# Altium PCB CMTestBoardV2.PcbDoc (part 1 of 2) (continued)
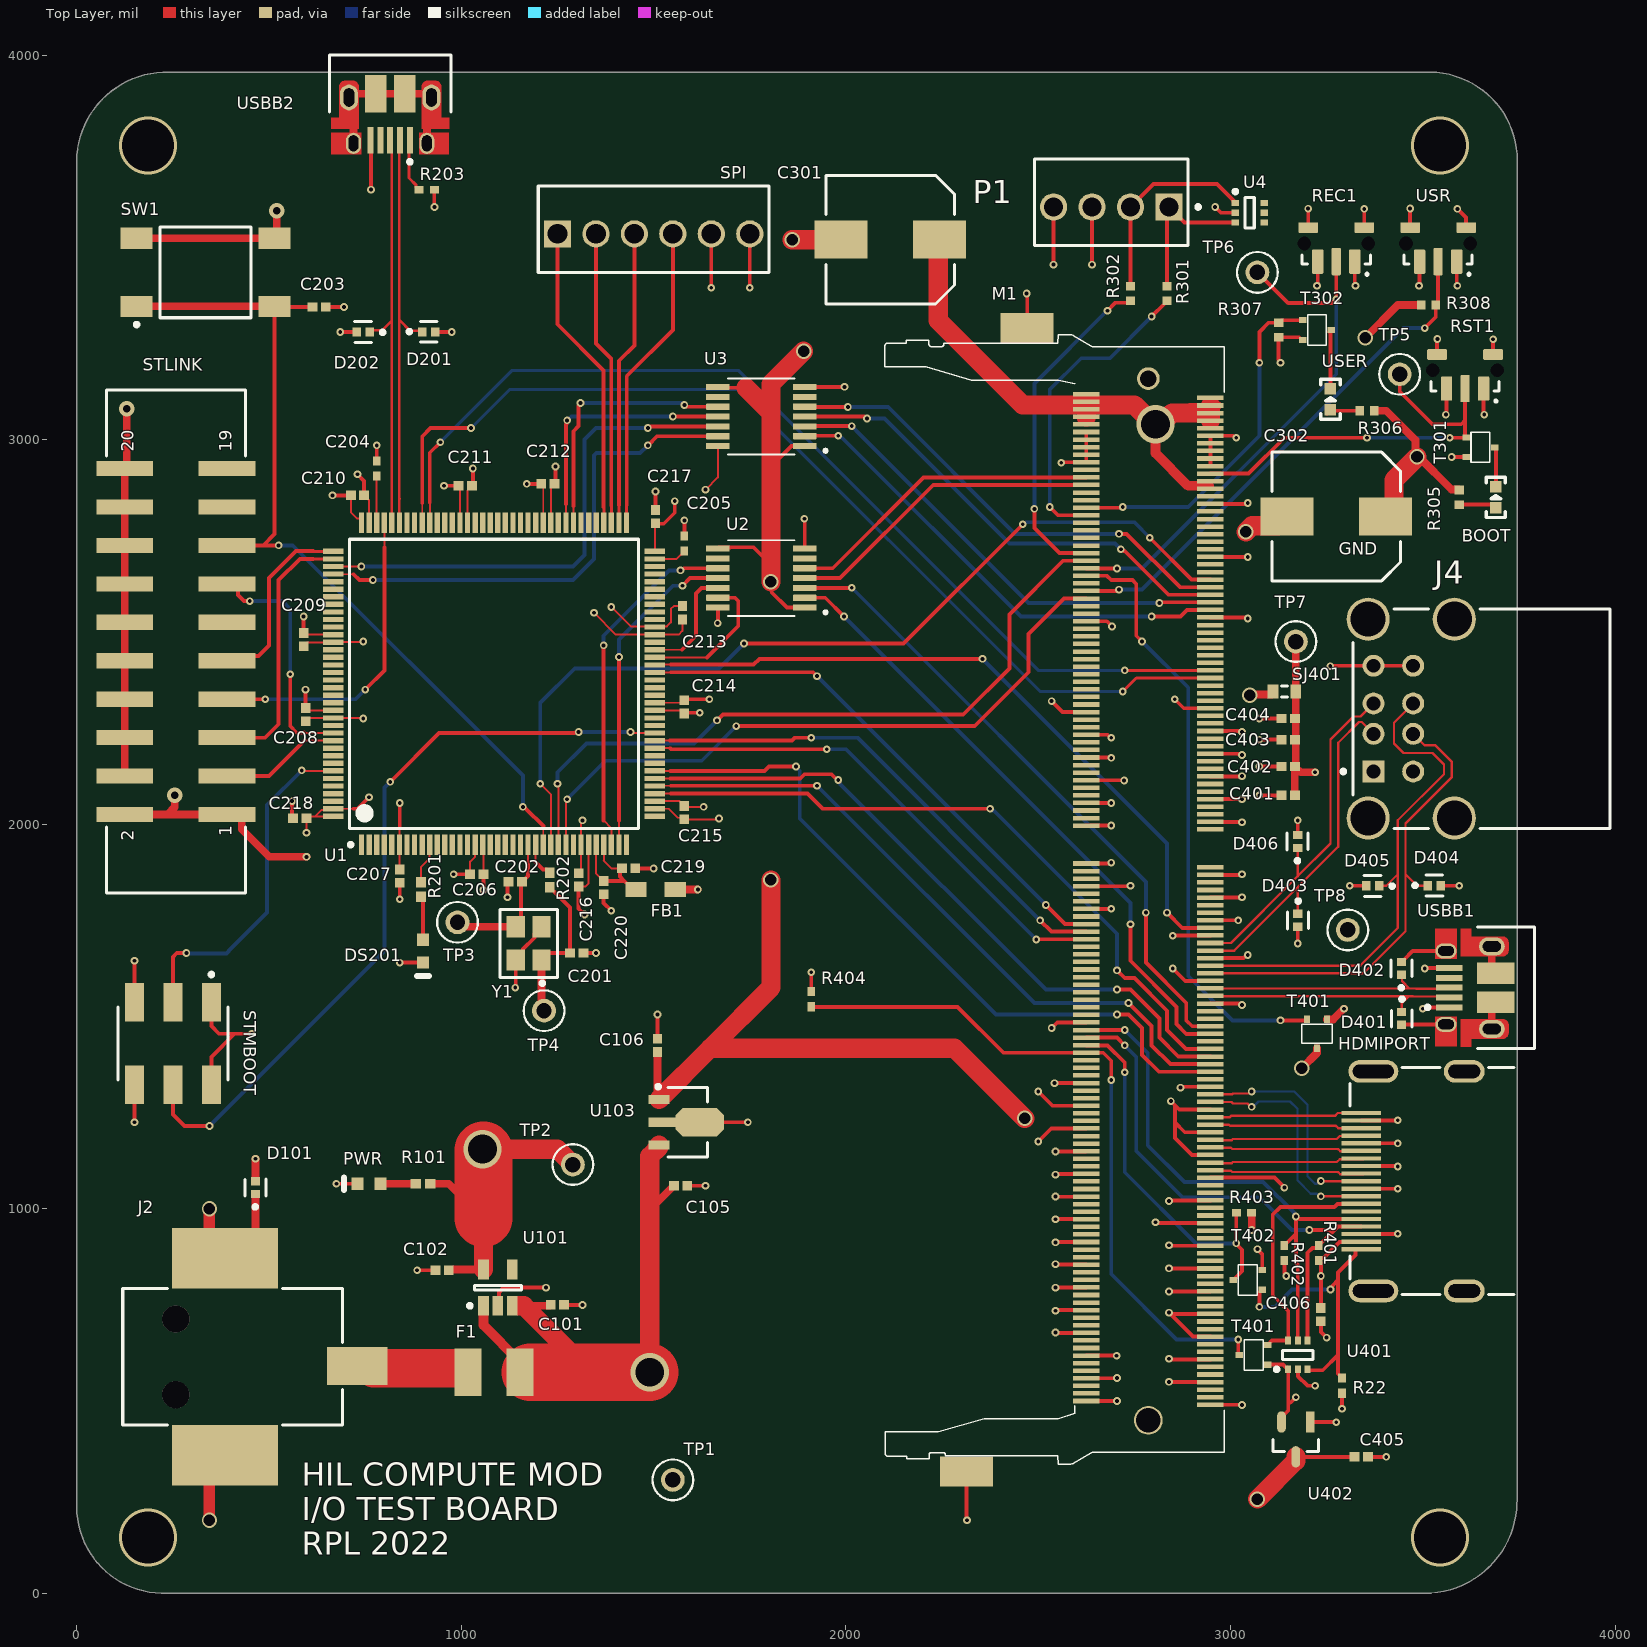
[diagram p0: Top Layer view]
## Footprints (in the part's own frame and the unit in brackets; to place one, negate y for a bottom-side part, rotate by r counter-clockwise, add the part's x,y. Pads: shape width x height; smd on the part's side, far side on the other; paste and mask are expansions set on the pad) (continued)
  silkscreen extent -10.75,-9.55 9.55,9.6, body extent -10,-10 10,10, height 1.6
TECO-4-1437565-1_V [mil] "SMD, 4-Leads, Body 6x6mm, Pitch 9.1mm"
  rect 55x83 smd: 1(-88.5,179.5) 2(-88.5,-179.5) 3(88.5,179.5) 4(88.5,-179.5)
  silkscreen extent -141,-118 118,184, body extent -118,-197 118,197, height 200
TECO-640456-4 [mm] "Through Hole, 4-Leads, Body 10.16x5.72mm, Pitch 2.54mm"
  rect 1.8x1.8 hole 1.27 paste+0: 1(3.81,0)
  round 1.8 hole 1.27 paste+0: 2(1.27,0) 3(-1.27,0) 4(-3.81,0)
  silkscreen extent -5.08,-2.54 5.86,3.18, body extent -5.08,-2.54 5.08,3.18, height 10.03
TECO-640456-6_V [mm] "THD, 6-Leads, Body 15.24x5.72mm, Pitch 2.54mm"
  rect 1.8x1.8 hole 1.3: 1(0,0)
  round 1.8 hole 1.3: 2(2.54,0) 3(5.08,0) 4(7.62,0) 5(10.16,0) 6(12.7,0)
  silkscreen extent -1.27,-2.54 13.97,3.17, body extent -1.27,-2.54 13.97,3.17, height 10.03
TL3340AF160QG [mm] "SWITCH TACT SUB MINI 160GF SMD"
  rrect20% 0.75x1.6 smd: 1(1.225,-1.2) 3(-1.225,-1.2)
  rrect20% 0.6x1.8 smd: 2(0,-1.2)
  round 0.5 hole 0.9: 10(2.125,0) 11(-2.125,0)
  rrect20% 1.3x0.7 smd: SH1(-1.85,1.05) SH2(1.85,1.05)
  Top Layer pour cut-out: -1,0.103 -1,1.5 1,1.5 1,0.103
  silkscreen extent -2.25,-2.07 2.25,-0.75, body extent -2.25,-1.35 2.25,2.05, height 3.3
TORX-SOT-25-5_M [mm] "SOT23, 5-Leads, Body 3.1x1.8mm, Pitch 0.95mm, IPC Low Density"
  rect 1.3x0.7 smd: 1(-1.2,0.95) 2(-1.2,0) 3(-1.2,-0.95) 4(1.2,-0.95) 5(1.2,0.95)
  silkscreen extent -1.32,-1.55 0.15,1.97, body extent -0.9,-1.55 0.9,1.55, height 1.3

## Part data
BOOT USER: library part LED, "LED Green 0603 case", Manufacturer=KINGBRIGHT, PartNumber=LED_G, MPN=APT1608SGC
C101 C102: library part C0402C560K5RACTU, "10uF 0402", Manufacturer_Name=Kemet, Mouser Part Number=80-C0402C560K5RACTU, Arrow Part Number=C0402C560K5RACTU, Datasheet Link=https://content.kemet.com/datasheets/KEM_C1002_X7R_SMD.pdf, Height=0.55mm, Manufacturer_Part_Number=C0402C560K5RACTU, Mouser Price/Stock=https://www.mouser.co.uk/ProductDetail/KEMET/C0402C560K5RACTU?qs=gt1LBUVyoHmQZW5v3ySgNQ%3D%3D
C105 C106: library part C0402C560K5RACTU, "1uF 0402", Manufacturer_Name=Kemet, Mouser Part Number=80-C0402C560K5RACTU, Arrow Part Number=C0402C560K5RACTU, Datasheet Link=https://content.kemet.com/datasheets/KEM_C1002_X7R_SMD.pdf, Height=0.55mm, Manufacturer_Part_Number=C0402C560K5RACTU, Mouser Price/Stock=https://www.mouser.co.uk/ProductDetail/KEMET/C0402C560K5RACTU?qs=gt1LBUVyoHmQZW5v3ySgNQ%3D%3D
C201 C202: library part C0402C560K5RACTU, "10pF 0402", Manufacturer_Name=Kemet, Mouser Part Number=80-C0402C560K5RACTU, Arrow Part Number=C0402C560K5RACTU, Datasheet Link=https://content.kemet.com/datasheets/KEM_C1002_X7R_SMD.pdf, Height=0.55mm, Manufacturer_Part_Number=C0402C560K5RACTU, Mouser Price/Stock=https://www.mouser.co.uk/ProductDetail/KEMET/C0402C560K5RACTU?qs=gt1LBUVyoHmQZW5v3ySgNQ%3D%3D
C203 C206 C207 C208 C209 C210 C211 C212 C213 C214 C215 C216 C217 C218 C219 C220 C405 C406: library part C0402C560K5RACTU, "100nF 0402", Manufacturer_Name=Kemet, Mouser Part Number=80-C0402C560K5RACTU, Arrow Part Number=C0402C560K5RACTU, Datasheet Link=https://content.kemet.com/datasheets/KEM_C1002_X7R_SMD.pdf, Height=0.55mm, Manufacturer_Part_Number=C0402C560K5RACTU, Mouser Price/Stock=https://www.mouser.co.uk/ProductDetail/KEMET/C0402C560K5RACTU?qs=gt1LBUVyoHmQZW5v3ySgNQ%3D%3D
C204 C205: library part Cap, "2.2uF 0402", LatestRevisionDate=17-Jul-2002, LatestRevisionNote="Re-released for DXP Platform.", PackageDescription="Radial Cap, Thru-Hole; 2 Leads; 0.3 in Pin Spacing", PackageReference=RAD-0.3, Published=8-Jun-2000, Publisher="Altium Limited"
C301 C302: library part CMP-0687-00072-1, "Aluminum Electrolytic Capacitor, UD Series, Low Impedance, 330 uF, 10 V, + / - 20%, -55 to 105 degC, Chip Type, 8 x 10 mm D x L, Pb-Free, Reel", Manufacturer=Nichicon, PartNumber=UUD1A331MNL1GS, Rated Capacitance="330 uF", Rated Ripple Current (at 100kHz)="450 mA", Rated Voltage="10 V", Tolerance Rated Capacitance="-20 to 20%", ComponentLink1Description="Manufacturer URL", ComponentLink1URL=http://www.nichicon.co.jp/, ComponentLink2Description=Datasheet, ComponentLink2URL=http://products.nichicon.co.jp/en/pdf/XJA043/e-ud.pdf, ComponentLink3Description="Package Specification", ComponentLink3URL=http://products.nichicon.co.jp/en/pdf/XJA043/e-ud.pdf, DatasheetVersion=08/2012, Diameter="8 mm", Endurance Time="5000 h", Impedance="0.17 Ohm", Length="10 mm", Mounting Technology="Surface Mount", PackageDescription="2-Pin Surface Mount Device, Diameter 8 mm, Height 10 mm, Pitch 6.5 mm", PackageReference=CAPAE-D8H10, Packing="Dia382mm Reel", RoHS=TRUE
C401 C402 C403 C404: library part C0402C560K5RACTU, "2.2uF 0402", Manufacturer_Name=Kemet, Mouser Part Number=80-C0402C560K5RACTU, Arrow Part Number=C0402C560K5RACTU, Datasheet Link=https://content.kemet.com/datasheets/KEM_C1002_X7R_SMD.pdf, Height=0.55mm, Manufacturer_Part_Number=C0402C560K5RACTU, Mouser Price/Stock=https://www.mouser.co.uk/ProductDetail/KEMET/C0402C560K5RACTU?qs=gt1LBUVyoHmQZW5v3ySgNQ%3D%3D
D101 D201 D202 D401 D402 D403 D404 D405 D406: library part CMP-08607-000070-1, "TVS DIODE 5V 10V SOD882", Capacitance=0.5pF, Clamping Voltage=10V, Manufacturer=Littelfuse, Max Junction Temp=+150°C, Package=SP3030, Peak Pulse Current=3A, Reverse Standoff Voltage=5V, Temperature="-40°C to +125°C", Temperature Range High=+125°C, Temperature Range Low=-40°C, Automotive=Yes, Automotive Grade="Grade 1", Category=Diode, ComponentLink2Description=Datasheet, ComponentLink2URL=https://www.littelfuse.com/~/media/electronics/datasheets/tvs_diode_arrays/littelfuse_tvs_diode_array_sp3030_datasheet.pdf.pdf, Device Class L1="Circuit Protection", Device Class L2="TVS Diodes", Device Class L3=unset, Digikey Description="TVS DIODE 5V 10V SOD882", Direction=Unidirectional, Height=0.6mm, Lead Free=Yes, Manufacturer Part Number=SP3030-01ETG, Mouser Description="TVS Diodes / ESD Suppressors 5V 1uA 22kV UNIDIRECTIONAL", Number of Channels=1, Octopart=https://octopart.com/sp3030-01etg-littelfuse-29687287, RoHS=TRUE
DS201 PWR: library part CMP-1744-00003-1, "LED Uni-Color Yellow, 65 mW, 20 mA, -40 to 85 degC, 2-Pin SMD, RoHS, Tape and Reel", Case Code (Imperial)=0603, Case Code (Metric)=1608, Max Operating Temperature="155 degC", Min Operating Temperature="-55 degC", Package Quantity=5000, Power Rating="100 mW", Resistance="390 Ohm", Tolerance=1%, Voltage Rating="50 V", Case\Package=0603, ComponentLink1Description="Manufacturer URL", ComponentLink1URL=http://www.avagotech.com/, ComponentLink2Description=Datasheet, ComponentLink2URL=http://docs.avagotech.com/docs/AV02-0551EN, ComponentLink3Description="Package Specification", ComponentLink3URL=http://www.fairchildsemi.com/dwg/MA/MA03D.pdf, DatasheetVersion=Mar-12, Height="0.45 mm", Length="1.6 mm", Mount="Surface Mount", PackageDescription="2-Pin Surface Mount Device, Body 1.6 x 0.8 mm, Height 0.9 mm", PackageReference=HSMX-C190, Packaging="Tape and Reel", Pins=2, REACH SVHC="No SVHC", RoHSCompliant=true, Voltage Rating (DC)="50 V", Width="0.8 mm"
F1: library part CMP-0257-00001-1, "Resettable PTC, 1812, 3 A Ihold, 5 A Itrip, 8V max", PartNumber=1812L150ZR, ComponentLink1Description="Manufacturer URL", ComponentLink1URL=http://www.littelfuse.com/, ComponentLink2Description=Datasheet, ComponentLink2URL=http://www.littelfuse.com/products/resettable-ptcs/surface-mount/1812l/~/media/Electronics_Technical/Datasheets/Resettable_PTCs/Littelfuse_PTC_1812L_Datasheet.pdf, DatasheetVersion=6/2012, Ihold="1.5 A", Imax="100 A", Itrip="3 A", PackageDescription="2-Pin SMT Fuse, 4.55 x 3.24 mm Body", PackageReference=FUSE1812-71, PackageVersion=6/2012, Vmax="8 Vdc"
FB1: library part CMP-0686-00665-2, "Chip Ferrite Bead for General Signal lines, 1000 Ohm, 500 mA, -55 to 125 degC, 2 x 1.25 x 1.05 mm SMD, Tape and Reel", DC Resistance="0.28 Ohm Max.", Manufacturer=Murata, Operating Temperature Range="-55 to 125 degC", Rated Current="500 mA", ComponentLink1Description="Manufacturer URL", ComponentLink1URL=http://www.murata.com/, ComponentLink2Description=Datasheet, ComponentLink2URL=http://www.murata.com/products/catalog/pdf/c31e.pdf, ComponentLink3Description="Package Specification", ComponentLink3URL=http://www.murata.com/products/catalog/pdf/c31e.pdf, DatasheetVersion=08/2013, Impedance (at 100 MHz)="1000 Ohm +/- 25%", Mounting Technology="Surface Mount", PackageDescription="2-Pin Chip, Body 2 x 1.25 mm", PackageReference=BLM21_H1050-2, Packing="Tape and Reel", PartNumber=BLM21AG102SN1D
HDMIPORT: library part CMP-1502-00169-1, "HDMI Type A Receptacle WR-HDMI, Horizontal, SMT", Contact Resistance=30mOhm, Manufacturer="Wurth Elektronik", Operating Temperature=-20to85degC, Rated Current=0.5A, Working Voltage=40VDC, Connector Type=HDMITypeA, Datasheet URL=https://katalog.we-online.de/em/datasheet/685119134923.pdf, Gender=Receptacle, Manufacturer URL=http://www.we-online.de, Mounting Technology=SMT, Orientation=Horizontal, Package Reference=685119134923, Packaging=TapeandReel, Part Number=685119134923, Publisher=WurthElektronik
J2: library part CMP-1502-00176-1, "DC Power Jack Connector with Pegs WR-DC, Male, Right Angled, SMT, 5 A, 24 V", Manufacturer="Wurth Elektronik", Operating Temperature=-40to85degC, Rated Current=5A, Working Voltage=24V, Datasheet URL=http://katalog.we-online.de/em/datasheet/6941xx105102.pdf, Gender=Male, Manufacturer URL=http://www.we-online.de, Mounting Technology=SMT, Opening Diameter=6.4mm, Orientation=RightAngled, Package Reference=694106105102, Packaging=TapeandReel, Part Number=694106105102, Plug Inner Diameter=2.05mm, Plug Outer Diameter=5.5mm, Publisher=WurthElektronik
J4: library part CMP-2000-05704-1, "Double Row Type A USB Socket, USB 2.0, 8 Position, RoHS, Tray", Insulation Resistance=1000MOhms, Manufacturer=Mill-Max, Package Description="8-Pin Through Hole Device, Body 16.967 x 14.503 mm", Brand=Mill-Max, Connector Type=USBTypeAReceptacle, Contact Material=CopperAlloy, Contact Plating=Gold, Datasheet URL=https://www.mill-max.com/products/datasheet/sockets/896-43-008-90-000000, Datasheet Version=09/2016, Factory Pack Quantity=120, Gender=Female, Manufacturer URL=https://www.mill-max.com/, Mounting Angle=Right, Mounting Style=SMD/SMT, Mounting Technology=ThroughHole, Number of Contacts=4, Number of Ports=1, Number of Positions=4, Number of Positions / Contacts=4, Package Reference=896-43-008-90-000000, Packaging=Tube, Product=USBTypeAConnectors, Product Category=USBConnectors, RoHS=Details, Standard=USB, Termination Style=SMD
M1: library part jetson-nano-new-release, Manufacturer="TE Connectivity", MPN=2309413-1, PartNumber=2309413-1
P1: library part CMP-2000-05419-1, "Male Header, Pitch 2.54 mm, 1 x 4 Position, Height 10.03 mm, Tail Length 3.56 mm, RoHS, Bulk", Color=White, Current, Rating="5 /  / A", Flammability Rating=UL94V-0, Manufacturer="TE Connectivity", Temperature, Operating="-55to+105 /  / degC", Voltage, Rating="250 /  / V", Agency Approvals=CSA,UL, Angle=Straight, Brand/Series=MTA-100Series, Color, Housing=White, Connector Type=MTA-100, Contact Centerline Spacing="0.100 /  / in.", Contact Mating Area Plating=Tin, Contact Plating=Tin, Contact Shape=Square, Contact Termination Area Plating=Tin, Datasheet URL=https://datasheet.ciiva.com/16286/eng-ds-82056-mta-0608-16286228.pdf, Datasheet Version=Dec-14, Length, Overall="0.4 /  / \"", Length, Pin="0.14 /  / \"", Length, Terminal Post="0.14 /  / in.", Manufacturer URL=http://www.te.com/, Material, Contact=CopperAlloy, Material, Housing=Polyester, Mount Angle=Vertical, Mounting Hole Size="0.04 /  / \"", Mounting Type=PCMount, Number of Contacts=4, Number of Positions=4, Number of Rows=1, Pin Spacing="0.1 /  / \"", Primary Type=InterconnectSystem, Size, Post="0.025 /  / in.", Special Features=Pinstrip, Standards=RoHSCompliant,ELVCompliant,UL94V-0, Termination=Solder, Type=PCBPlug
R22 R203: library part Res1, "100k 0402", LatestRevisionDate=17-Jul-2002, LatestRevisionNote="Re-released for DXP Platform.", PackageDescription="Axial Device, Thru-Hole; 2 Leads; 0.3 in Pin Spacing", PackageReference=AXIAL-0.3, Published=8-Jun-2000, Publisher="Altium Limited"
R101 R201: library part CMP-2002-07344-1, "75R 0402", Manufacturer="Yageo / Phycomp", Part Number=RC0402FR-07100RL
R202: library part CMP-2002-07344-1, "22R 0402", Manufacturer="Yageo / Phycomp", Part Number=RC0402FR-07100RL
R301 R302: library part Res1, "22R 0402", Case Code (Imperial)=0402, LatestRevisionDate=17-Jul-2002, LatestRevisionNote="Re-released for DXP Platform.", PackageDescription="Axial Device, Thru-Hole; 2 Leads; 0.3 in Pin Spacing", PackageReference=AXIAL-0.3, Published=8-Jun-2000, Publisher="Altium Limited"
R305 R306: library part Res1, "470R 0402", Case Code (Imperial)=0402, LatestRevisionDate=17-Jul-2002, LatestRevisionNote="Re-released for DXP Platform.", PackageDescription="Axial Device, Thru-Hole; 2 Leads; 0.3 in Pin Spacing", PackageReference=AXIAL-0.3, Published=8-Jun-2000, Publisher="Altium Limited"
R307: library part Res1, "100k 0402", Case Code (Imperial)=0402, LatestRevisionDate=17-Jul-2002, LatestRevisionNote="Re-released for DXP Platform.", PackageDescription="Axial Device, Thru-Hole; 2 Leads; 0.3 in Pin Spacing", PackageReference=AXIAL-0.3, Published=8-Jun-2000, Publisher="Altium Limited"
R308: library part Res1, "10k 0402", Case Code (Imperial)=0402, LatestRevisionDate=17-Jul-2002, LatestRevisionNote="Re-released for DXP Platform.", PackageDescription="Axial Device, Thru-Hole; 2 Leads; 0.3 in Pin Spacing", PackageReference=AXIAL-0.3, Published=8-Jun-2000, Publisher="Altium Limited"
R401 R402: library part Res1, "1.8k 0402", LatestRevisionDate=17-Jul-2002, LatestRevisionNote="Re-released for DXP Platform.", PackageDescription="Axial Device, Thru-Hole; 2 Leads; 0.3 in Pin Spacing", PackageReference=AXIAL-0.3, Published=8-Jun-2000, Publisher="Altium Limited"
R403 R404: library part Res1, "1k 0402", LatestRevisionDate=17-Jul-2002, LatestRevisionNote="Re-released for DXP Platform.", PackageDescription="Axial Device, Thru-Hole; 2 Leads; 0.3 in Pin Spacing", PackageReference=AXIAL-0.3, Published=8-Jun-2000, Publisher="Altium Limited"
REC1 RST1 USR: "E-SWITCH  TL3340AF160QG  SWITCH, TACTILE SPST 50mA, SMD GULL WING", Manufacturer=E-SWITCH, MPN=TL3340AF160QG, PartNumber=TL3340AF160QG
SJ401: library part Res1, "Resistor", LCSC Part #=C21189, LatestRevisionDate=17-Jul-2002, LatestRevisionNote="Re-released for DXP Platform.", PackageDescription="Axial Device, Thru-Hole; 2 Leads; 0.3 in Pin Spacing", PackageReference=AXIAL-0.3, Published=8-Jun-2000, Publisher="Altium Limited"
SPI: library part CMP-2000-05661-1, "Male Header, Pitch 2.54 mm, 1 x 6 Position, Height 10.03 mm, Tail Length 3.56 mm, -55 to 105 degC, Bulk", Color=White, Current, Rating="5 /  / A", Flammability Rating=UL94V-0, Manufacturer="TE Connectivity", Package Description="Male Header, Pitch 2.54 mm, 1 x 6 Position, Height 10.03 mm, Tail Length 3.56 mm", Temperature, Operating="-55to+105 /  / °C", Voltage, Rating="250 /  / V", Agency Approvals=CSA,UL, Angle=Straight, Brand/Series=MTA-100Series, Color, Housing=White, Connector Type=MTA-100, Contact Centerline Spacing="0.100 /  / in.", Contact Mating Area Plating=Tin, Contact Plating=Tin, Contact Shape=Square, Contact Termination Area Plating=Tin, Datasheet URL=https://datasheet.ciiva.com/25618/0900766b80eb7fdd-25618163.pdf, Datasheet Version="Rev. W, 05/2005", Length, Overall="0.6 /  / \"", Length, Pin="0.14 /  / \"", Length, Terminal Post="0.14 /  / in.", Manufacturer URL=http://www.te.com/, Material, Contact=CopperAlloy, Material, Housing=Polyester, Mount Angle=Vertical, Mounting Hole Size="0.04 /  / \"", Mounting Technology=ThroughHole, Mounting Type=PCMount, Number of Contacts=6, Number of Positions=6, Number of Rows=1, Package Reference=640456-6, Pin Spacing="0.1 /  / \"", Primary Type=InterconnectSystem, Size, Post="0.025 /  / in.", Special Features=Pinstrip, Standards=RoHSCompliant,ELVCompliant,UL94V-0, Termination=Solder, Type=PCBPlug
STLINK: library part CMP-1502-00063-1, "Male Box Header WR-BHD, SMT, Vertical, pitch 2.54 mm, 20 pins", Contact Resistance=20mOhm, Manufacturer="Wurth Elektronik", Operating Temperature=-40to125degC, Withstanding Voltage=500VAC, Working Voltage=250VAC, Datasheet URL=https://katalog.we-online.de/em/datasheet/6123xx20621.pdf, Gender=Male, Manufacturer URL=http://www.we-online.de, Mounting Technology=SMT, Orientation=Vertical, Package Reference=61232020621, Packaging=TapeandReel, Part Number=61232020621, Pin Number=20, Pitch=2.54mm, Published Date=August2018, Publisher=WurthElektronik
STMBOOT: library part CMP-1743-00002-1, "Male Header, Pitch 2.54 mm, 2 x 3 Position, Height 14.4 mm, RoHS, Tape and Reel", Case Code (Imperial)=0603, Case Code (Metric)=1608, Max Operating Temperature="155 degC", Min Operating Temperature="-55 degC", Power Rating="100 mW", Resistance="49.9 Ohm", Tolerance=1%, Voltage Rating="50 V", Case\Package=0603, ComponentLink1Description=Datasheet, ComponentLink1URL=http://portal.fciconnect.com/Comergent//fci/drawing/95278.pdf, DatasheetVersion="Rev. AC, 03/2016", Height="0.45 mm", Length="1.6 mm", Mount="Surface Mount", PackageDescription="Male Header, Pitch 2.54 mm, 2 x 3 Position, Height 14.4 mm", PackageReference=95278-101A06LF, Packaging="Tape and Reel", REACH SVHC="No SVHC", RoHSCompliant=true, Width="0.8 mm"
SW1: library part CMP-2000-05602-1, "Tactile Switch, 50 mA, 12 VDC, -20 to 85 degC, 4-Pin SMD, RoHS, Bulk", Actuator Color=N/A, Contact Rating @ Voltage=0.05@12VDCA, Dielectric Strength=500VAC, Manufacturer=TEConnectivity/AMPBrand, Maximum Contact Resistance=100mOhm, Maximum DC Voltage Rating=12V, Minimum Insulation Resistance=100MOhm, Operating Force=1.57N, Operating Temperature=-20to85C, Package Description="4-Pin Surface Mount Device, Body 6 x 6 mm, Pitch 9.1 mm", Actuator Length=1.4mm, Actuator Style=RoundButton, Base Material=N/A, Body Orientation=Straight, Contact Material=CopperAlloy, Contact Plating=Silver, Datasheet URL=https://datasheet.ciiva.com/14635/0900766b80912216-14635826.pdf, Datasheet Version=04/2007, Dimension=6x10x5.25mm, Electrical Life=100000Cycle, Family=FSMJSMA, Ground Terminal=No, Housing Material=N/A, Illumination Type=N/R, Manufacturer URL=http://www.te.com/, Maximum AC Voltage Rating=N/A, Mechanical Life=N/A, Mounting=SurfaceMount,GullWing, Mounting Technology=SurfaceMount, Package Reference=4-1437565-1, Packaging=Bulk, Part No=4-1437565-1, Pole Throw Configuration=N/A, Product Weight=N/A, RoHS=Yes, Seal Description=N/A, Seal Location=N/A, Switch Configuration=N/A, Type=N/A
T301 T302 T401 T401 T402: library part NMOS, "MOSFET, N CH, 60V, 0.2A", Manufacturer=NXP, MPN=BSS138PW,115, PartNumber=BSS138PW,115
TP1 TP2 TP3 TP4 TP5 TP6 TP7 TP8: library part CMP-2000-05575-2, "PC TEST POINT MINIATURE YELLOW", Manufacturer=Keystone, Automotive=No, Category=Conn, ComponentLink2Description=Datasheet, ComponentLink2URL=https://www.keyelco.com/product-pdf.cfm?p=1313, Contact Material=Silver, Device Class L1=Connectors, Device Class L2=unset, Device Class L3=unset, Digikey Description="PC TEST POINT MINIATURE YELLOW", Height=4.72mm, Is Female=yes, Lead Free=Yes, Manufacturer Part Number=5004, Mouser Description="TEST POINT PC MINI .040\"D YELLOW", Number of Contacts=1, Octopart=https://octopart.com/5004-keystone-28591, Package=5004, RoHS=TRUE
U1: library part CMP-0243-00054-2, "ARM Cortex-M4 32-bit MCU+FPU, 210 DMIPS, 1024 kB Flash, 256 kB Internal RAM, 114 I/Os, 144-pin LQFP, -40 to 85 degC, Tray", I/Os (High Current)=114, Manufacturer=STMicroelectronics, Operating Frequency(F) (Processor speed) (MHz)=168, Supply Voltage(Vcc) max (V)=3.6, Supply Voltage(Vcc) min (V)=1.8, ComponentLink1Description="Manufacturer URL", ComponentLink1URL=http://www.st.com/web/en/home.html, ComponentLink2Description=Datasheet, ComponentLink2URL=http://www.st.com/st-web-ui/static/active/en/resource/technical/document/datasheet/DM00071990.pdf, ComponentLink3Description="Package Specification", ComponentLink3URL=http://www.st.com/st-web-ui/static/active/en/resource/technical/document/datasheet/DM00037051.pdf, Core="ARM Cortex-M4", D/A Converter=2x12-bit, DatasheetVersion="Rev. 1", FLASH Size (Prog) (kB)=1024, Internal RAM Size (kB)=256, Mounting Technology="Surface Mount", PackageDescription="144-Pin Low Profile Quad Flat Package, 20 x 20 mm Body, 0.5 mm Pitch", PackageReference=LQFP144, PackageVersion="Rev. 4, 06/2013", Packing=Tray, PartNumber=STM32F427ZGT6
U2 U3: "4-Bit Bidirectional Voltage-Level Shifter for Open-Drain and Push-Pull Applications 14-TSSOP -40 to 85", Package="TSSOP-14 Texas Instruments", Availability=Unavailable, MF="Texas Instruments", MP=TXS0104EPWR, Price=None, SnapEDA_Link=https://www.snapeda.com/parts/TXS0104EPWR/Texas%20Instruments/view-part/134341/?ref=snap, Texas_Instruments-Purchase-URL=https://snapeda.com/shop?store=Texas+Instruments&id=134341
U4 U401: library part CMP-1061-00155-1, "5-Line Transient Voltage Suppressor Array, 6-Pin SC70, Pb-Free, Tape and Reel", Manufacturer="On Semiconductor", ComponentLink1Description="Manufacturer URL", ComponentLink1URL=http://www.onsemi.com/, ComponentLink2Description=Datasheet, ComponentLink2URL=http://www.onsemi.com/pub_link/Collateral/SMF05C-D.PDF, ComponentLink3Description="Package Specification", ComponentLink3URL=http://www.onsemi.com/pub_link/Collateral/SMF05C-D.PDF, DatasheetVersion="Rev. 4", Direction=Unidirectional, IR Max (uA)=5, Mounting Technology="Surface Mount", PackageDescription="6-Pin Small Outline Transistor, Body 2 x 1.25 mm, Pitch 0.65 mm", PackageReference=SC70-6-419B-02_W, PackageVersion="Rev. W", Packing="Tape and Reel", PartNumber=SMF05CT1G, PPK Max (W)=100, RoHS=Pb-Free
U101: library part CMP-0599-00001-2, "1A LDO Voltage Regulator with CL discharge, 3.3 V, 1000 mA, -45 to 85 degC, 5-Pin SOT-25, RoHS, Reel", Manufacturer=Torex, Maximum Output Current="1000 mA", Operating Ambient Temperature="-40 to 85 degC", Output Voltage="3.3 V", ComponentLink1Description="Manufacturer URL", ComponentLink1URL=http://www.torex.co.jp/, ComponentLink2Description=Datasheet, ComponentLink2URL=http://www.torex.co.jp/english/products/voltage_regulators/data/XC6220.pdf, DatasheetVersion=ETR0341-010a, Mounting Technology="Surface Mount", PackageDescription="5-Pin Small Out-Line Transistor, Body 2.9 x 1.65 mm, Pitch 0.95 mm", PackageReference=SOT-25-5, Packing=Reel, PartNumber=XC6220B331MR-G, RoHS=TRUE
U103: library part CMP-0244-00406-1, "Positive Voltage Regulator, 5V, 4-Pin SOT-89, Tape and Reel", ComponentLink1Description="Manufacturer URL", ComponentLink1URL=http://www.st.com, ComponentLink2Description=Datasheet, ComponentLink2URL=http://www.st.com/internet/com/TECHNICAL_RESOURCES/TECHNICAL_LITERATURE/DATASHEET/CD00000446.pdf, DatasheetVersion=1/02/2011, PackageDescription="3-Pin SOT-89 Package 1.5 mm Pitch, 4.1 mm Lead Span", PackageReference=SOT-89, PackageVersion=2011
U402: library part CMP-12752-000002-1, "LOAD SWITCH SC59", Case/Package=TO-236-3, Current=200mA, Max Operating Temperature=85°C, Max Supply Voltage=5.2V, Min Operating Temperature=-40°C, Min Supply Voltage=2.7V, On-State Resistance=350mR, Package Quantity=3000, Fault Protection="Over Temperature", Height=1.3mm, Interface=On/Off, Length=3.1mm, Max Output Current=200mA, Mount="Surface Mount", Number of Outputs=1, Number of Pins=59, Output Configuration="High Side", Output Current=200mA, Packaging="Tape and Reel", Radiation Hardening=No, REACH SVHC="No SVHC", Turn-On Delay Time=700us, Voltage=5.2V, Width=1.7mm
USBB1 USBB2: library part CMP-1698-00007-1, "Micro USB 2.0 B Receptacle, -55 to 85 degC, 5-Pin SMD, RoHS, Tape and Reel", Case Code (Imperial)=0603, Case Code (Metric)=1608, Max Operating Temperature="155 degC", Min Operating Temperature="-55 degC", Package Quantity=5000, Power Rating="100 mW", Resistance="4.7 kohm", Tolerance=1%, Type (Resistor)="Thick Film", Voltage Rating="75 V", Case\Package=0603, ComponentLink1Description="Manufacturer URL", ComponentLink1URL=http://portal.fciconnect.com/, ComponentLink2Description=Datasheet, ComponentLink2URL=http://portal.fciconnect.com/Comergent//fci/drawing/10103594.pdf, DatasheetVersion="Rev. A, 06/2010", Height="0.45 mm", Length="1.55 mm", Mount="Surface Mount", PackageDescription="5-Pin Surface Mount Device, Body 8.04 x 5.62 mm", PackageReference=FCI-10103594-0001LF, Packaging="Tape and Reel", Pins=2, REACH SVHC=Unknown, RoHSCompliant=true, Weight="7.1E-05 oz", Width="0.85 mm"
Y1: library part CMP-18717-000014-1, "CRYSTAL 12.0000MHZ 15PF SMD", Case/Package=SMD/SMT, ESR (Equivalent Series Resistance)=60R, Frequency=32MHz, Frequency Stability=30ppm, Load Capacitance=12pF, Max Operating Temperature=85°C, Min Operating Temperature=-40°C, Package Quantity=1, Frequency Tolerance=30ppm, Height=0.031inch, Lead Free="Lead Free", Length=0.126inch, Mount="Surface Mount", Packaging="Tape and Reel", Width=0.098inch

## Via types
v1: diameter 20, hole 10, Top Layer to Bottom Layer, tented both sides, 245 vias
v2: diameter 40, hole 30, Top Layer to Bottom Layer, tented both sides, 11 vias
v3: diameter 20, hole 10, Top Layer to Bottom Layer, 10 vias
v4: diameter 150, hole 135, Top Layer to Bottom Layer, 4 vias
v5: diameter 100, hole 75, Top Layer to Bottom Layer, tented both sides, 3 vias
v6: diameter 40, hole 20, Top Layer to Bottom Layer, tented both sides, 3 vias
v7: diameter 40, hole 30, Top Layer to Bottom Layer, 2 vias

## Nets (pads, with @x,y where several pads share a name; then routed paths per layer and width w, separated by ;. In a path a pad name is that pad's centre, name@x,y a point inside that pad or via, vN(x,y) a via of type N, cw(c..) or ccw(c..) an arc to the next point about the centre after c; other vN are vias at no path point)
1.8V: C106.1 R308.1 R403.1 T401.3@3225,1417.6 U2.1 U2.8 U3.1 U3.8 U103.1 | length 6652.5
  Top Layer w10: U2.8@1667.01,2716.77 1670.08,2719.84 1698.61,2719.84 1698.77,2720 1760,2720 1785,2695 1805,2695 ; U3.8@1667.01,3136.77 1668.78,3135 1730,3135 ; v2(1805,2630) 1807.25,2627.75 1807.25,2602.75 1846.77,2563.23 U2.1@1892.99,2563.23 ; 1805,2930 1858.23,2983.23 U3.1@1892.99,2983.23 ; 1805,2970 1820,2985
  Top Layer w20: C106.1@1510,1407.68 1510,1285.87 1511.81,1284.06 U103.1@1513.7,1284.06 ; 1730,3135 1740,3135 ; R403.1@3054.69,990 3054.84,990 3055,989.84 v1(3055,945) ; v2(3185,1365) 3225,1405 T401.3@3225,1417.6 ; v2(3350,3265) 3435,3350 R308.1@3496.1,3350
  Top Layer w50: U103.1@1513.7,1284.06 1647.32,1417.68 ; 1740,3135 1805,3070 ; v2(1805,1855) 1805,1575.35 1647.32,1417.68 ; v2(1805,2630) 1805,2695 1805,2930 1805,2970 1805,3070 ; v2(1890,3230) 1805,3145 1805,3070 ; v2(2465,1235) 2282.32,1417.68 1647.32,1417.68
  Layer 2 w50: v2(1805,1855) v2(1805,2630) ; v2(1890,3230) 1925,3265 v2(3350,3265) ; v2(2465,1235) 2765,1235 ; v1(3055,945) 2765,1235 ; v2(3185,1365) 3005,1365 2875,1235 2765,1235